# Altium PCB Archimajor.PcbDoc (part 7 of 12)
Units mm, origin at the board's own origin, x right, y up, seen from the top; angles counter-clockwise.
Board outline 190 x 140 mm, 6 copper layers (Top Layer, Top GND, Power Plane, Mid1, Bot GND, Bottom Layer), stack 1.776 mm thick; 1046 components, 682 nets, 3245 pads, 2865 vias.
Unrouted connection lines stored in the file: 97.
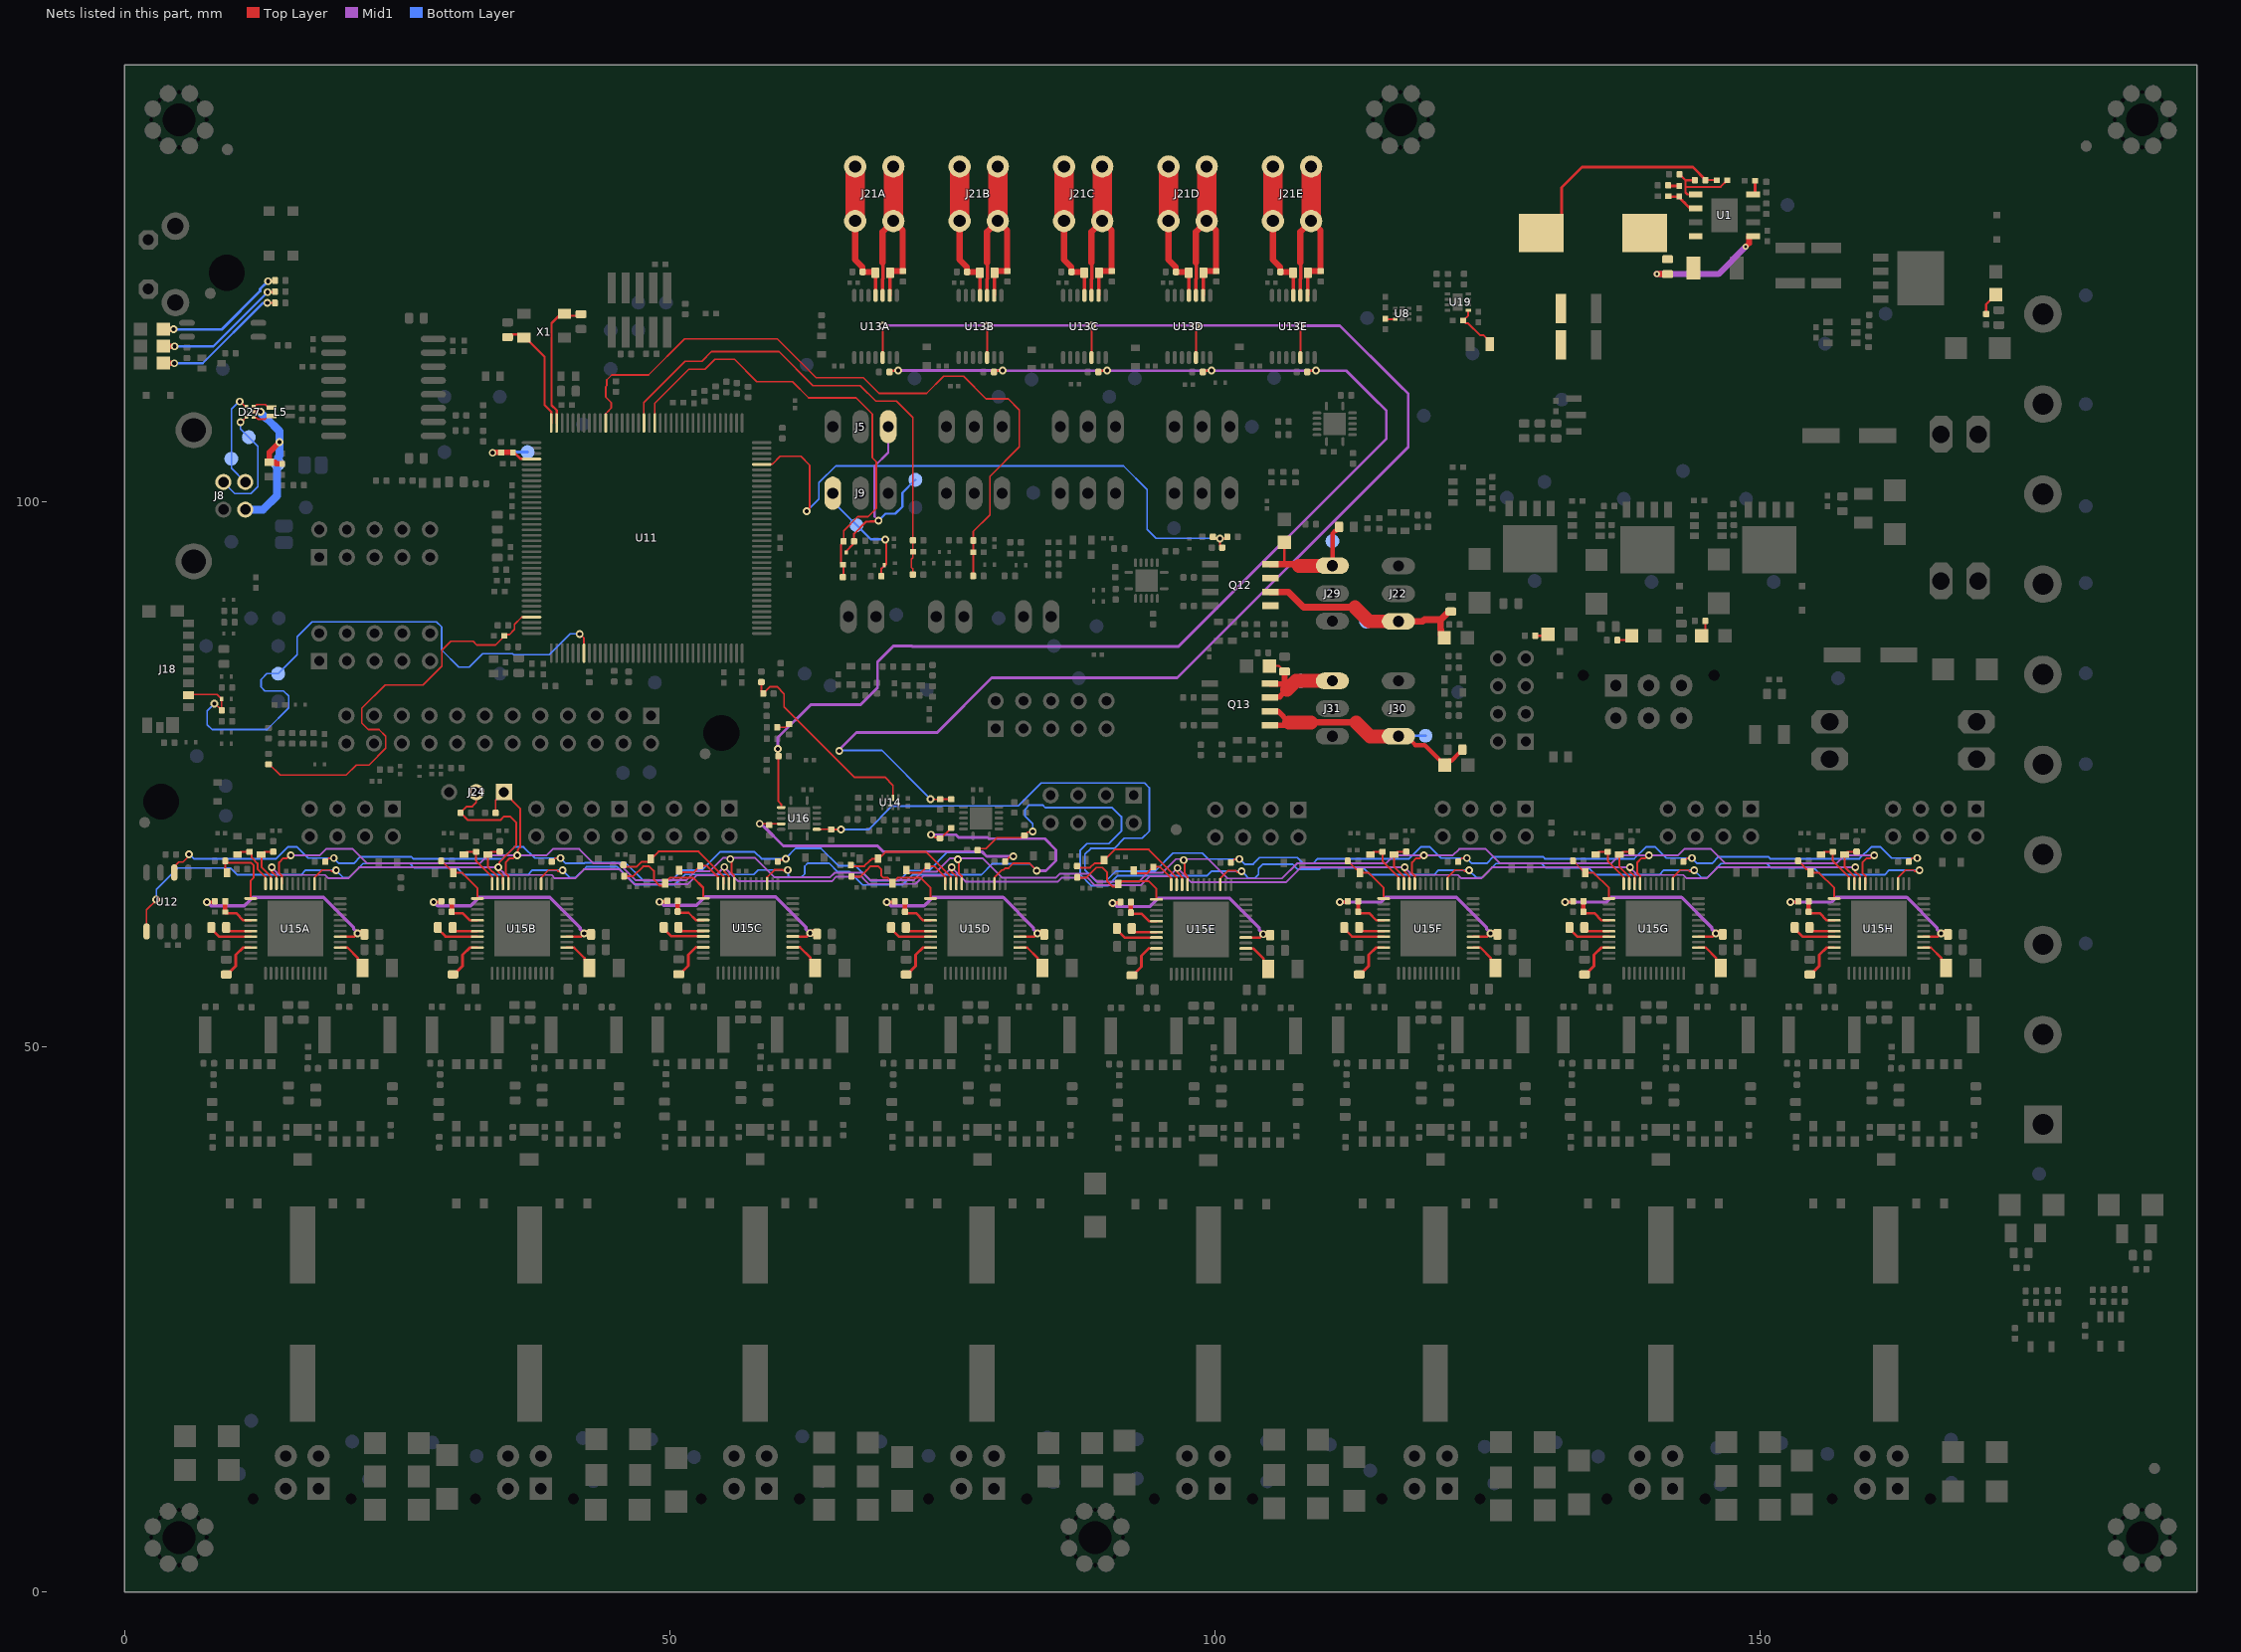
[diagram p11: the nets of this part, all layers, seen from the top]

## Via types
v1: diameter 0.711, hole 0.381, Top Layer to Bottom Layer, tented both sides, 2418 vias
v2: diameter 0.559, hole 0.254, Top Layer to Bottom Layer, 302 vias
v3: diameter 0.711, hole 0.381, Top Layer to Bottom Layer, 113 vias
v4: diameter 0.737, hole 0.381, Top Layer to Bottom Layer, tented both sides, 16 vias
v5: diameter 0.762, hole 0.381, Top Layer to Bottom Layer, 16 vias

## Nets (pads, with @x,y where several pads share a name; then routed paths per layer and width w, separated by ;. In a path a pad name is that pad's centre, name@x,y a point inside that pad or via, vN(x,y) a via of type N, cw(c..) or ccw(c..) an arc to the next point about the centre after c; other vN are vias at no path point) (continued)
MCDA3: D68.C J18.2 R67.1 TP22.1 U11.79 | length 59.3
  Top Layer w0.152: J18.2@5.89,82.226 5.971,82.307 8.48,82.307 D68.C@8.897,81.89 R67.1@8.897,80.88 ; v1(8.255,81.458) 8.319,81.458 R67.1@8.897,80.88 ; v1(41.732,87.847) 41.783,87.847 42.129,87.501 U11.79@42.129,86.088 ; R67.1@8.897,80.88 8.897,80.869 R67.1@8.918,80.848 8.918,80.859 R67.1@8.897,80.88
  Bottom Layer w0.152: v1@8.407,81.458 8.331,81.382 8.179,81.382 7.595,80.798 7.595,79.528 8.039,79.084 13.069,79.084 15.062,81.077 15.062,82.144 14.58,82.626 12.866,82.626 12.522,82.97 12.522,83.661 13.063,84.201 TP22.1@14.097,84.201 15.824,85.928 15.824,87.572 17.216,88.964 28.6,88.964 29.083,88.482 29.083,86.368 30.65,84.801 31.613,84.801 32.842,86.03 35.594,86.03 35.683,85.942 38.961,85.942 40.866,87.847 v1(41.732,87.847)
MIN_ES1: C84.1 R19.1 R22.1 U11.17 | length 42.6
  Top Layer w0.152: U11.17@48.629,107.188 48.629,108.989 51.75,112.109 53.218,112.109 54.126,113.018 55.934,113.018 57.968,110.984 61.243,110.984 62.736,109.492 67.076,109.492 68.568,108 68.568,104.009 68.936,103.642 68.936,99.357 68.169,98.591 67.224,98.591 65.938,97.305 R19.1@65.938,96.334 65.938,96.29 65.694,96.046 65.694,94.283 65.927,94.051 R22.1@65.927,93.038
MIN_ES2: C157.1 R63.1 R72.1 U11.19 | length 45.5
  Top Layer w0.152: U11.19@47.629,107.188 47.629,109.049 51.414,112.834 52.937,112.834 53.832,113.729 60.007,113.729 63.116,110.62 67.457,110.62 68.882,109.195 70.785,109.195 72.288,107.692 R63.1@72.288,96.429 C157.1@72.289,95.379 72.289,94.828 72.158,94.697 72.158,93.944 72.285,93.817 R72.1@72.285,93.286
MIN_ES3: C159.1 R75.1 R76.1 U11.26 | length 64.8
  Top Layer w0.152: U11.26@44.129,107.188 44.129,108.037 44.421,108.329 44.421,108.356 44.636,108.571 44.636,109.055 44.122,109.569 44.122,110.523 44.217,110.618 44.217,111.134 44.679,111.596 48.054,111.596 51.348,114.89 59.852,114.89 63.411,111.331 67.752,111.331 69.177,109.906 73.542,109.906 75.119,111.483 76.923,111.483 79,109.406 81.032,109.406 82.057,108.381 82.057,105.006 79.338,102.287 79.338,98.762 77.822,97.246 R75.1@77.822,96.412 C159.1@77.822,95.337 ; R76.1@77.822,93.197 C159.1@77.822,95.337 ; C159.1@77.828,95.337 C159.1@77.822,95.337
MIN_ES4: C214.1 R190.1 R191.1 U11.140 | length 57.1
  Top Layer w0.152: U11.140@58.429,103.388 58.448,103.406 59.305,103.406 59.329,103.43 59.415,103.43 60.112,104.127 62.023,104.127 62.828,103.322 62.828,99.348 v1@62.629,99.148 ; R191.1@99.786,96.756 99.957,96.584 v1(100.443,96.584) ; C214.1@100.643,95.759 100.443,95.959 v1(100.443,96.584) ; R190.1@101.109,96.756 100.937,96.584 v1(100.443,96.584)
  Bottom Layer w0.152: v1(62.541,99.086) 63.668,100.213 63.668,101.705 65.218,103.254 91.598,103.254 93.768,101.084 93.768,97.434 94.582,96.621 100.407,96.621 v1(100.443,96.584)
MISO_M1BUS: C75.1 R86A.1 R86B.1 R86C.1 R86D.1 U12.2 U16.5 | length 115.8
  Top Layer w0.166: U12.2@4.572,65.971 4.572,66.538 4.736,66.701 ; 4.736,66.702 4.968,66.934 5.368,66.934 5.918,67.484 v1(5.918,67.634) ; R86A.1@18.405,66.96 18.405,66.966 18.627,67.189 18.634,67.189 18.73,67.285 v1(19.2,67.285) ; R86B.1@39.18,66.96 39.18,66.966 39.402,67.189 39.409,67.189 39.505,67.285 v1(39.975,67.285) ; v1(58.243,70.434) U16.5@60.212,70.434 ; R86C.1@59.888,66.984 60.033,67.13 60.537,67.13 v1(60.641,67.234) ; R86D.1@80.73,66.96 80.73,66.966 80.952,67.189 80.959,67.189 81.229,67.459 v1(81.492,67.459)
  Mid1 w0.257: v1@58.241,70.559 58.676,70.124 58.694,70.124 60.408,68.409 69.05,68.409 69.575,67.884 78.619,67.884 79.044,67.459 v1(81.492,67.459)
  Bottom Layer w0.166: v1(5.918,67.634) 5.963,67.634 6.363,67.235 13.9,67.235 14.975,68.31 15.825,68.31 16.85,67.285 v1(19.2,67.285) 19.675,66.81 21.025,66.81 21.625,67.41 26.3,67.41 26.475,67.235 34.675,67.235 35.75,68.31 36.6,68.31 37.625,67.285 v1(39.975,67.285) 40.45,66.81 42.152,66.81 42.196,66.854 45.95,66.854 47.576,65.227 50.176,65.227 51.133,66.184 52.933,66.184 54.6,67.851 57.791,67.851 58.408,67.234 v1(60.641,67.234) 60.641,67.309 61.516,68.184 63.868,68.184 65.476,66.576 67.045,66.576 68.419,65.203 71.018,65.203 71.975,66.16 73.775,66.16 75.442,67.827 78.633,67.827 78.997,67.463 78.993,67.459 v1(81.492,67.459)
MISO_M2BUS: C87.1 R86E.1 R86F.1 R86G.1 R86H.1 U16.9 | length 131
  Top Layer w0.165: U16.9@63.474,69.934 64.768,69.934 C87.1@64.793,69.909 v1(65.693,69.909)
  Top Layer w0.166: R86E.1@101.438,66.884 101.438,66.891 101.66,67.113 101.666,67.113 101.763,67.209 v1(102.233,67.209) ; R86F.1@122.28,66.96 122.28,66.966 122.502,67.189 122.509,67.189 122.605,67.285 v1(123.075,67.285) ; R86G.1@142.93,66.96 142.93,66.966 143.153,67.189 143.159,67.189 143.255,67.285 v1(143.725,67.285) ; R86H.1@163.58,66.96 163.58,66.966 163.803,67.189 163.809,67.189 163.905,67.285 v1(164.375,67.285)
  Bottom Layer w0.165: v1(65.693,69.909) 68.218,69.909 70.377,72.068 74.902,72.068 74.918,72.084 81.968,72.084 84.068,74.184 93.518,74.184 93.968,73.734 93.968,69.759 93.318,69.109 91.668,69.109 90.734,68.175 88.592,68.175 88.068,67.651 88.068,66.186
  Bottom Layer w0.166: 88.068,66.186 89.126,65.127 89.949,65.127 90.906,66.084 94.483,66.084 96.15,67.751 98.826,67.751 99.368,67.209 v1(102.233,67.209) 102.708,66.734 103.483,66.734 104.083,67.334 107.543,67.334 108.093,66.784 108.968,66.784 109.418,67.235 117.775,67.235 118.85,68.31 119.7,68.31 120.725,67.285 v1(123.075,67.285) 123.55,66.81 124.9,66.81 125.5,67.41 130.05,67.41 130.225,67.235 138.425,67.235 139.5,68.31 140.35,68.31 141.375,67.285 v1(143.725,67.285) 144.2,66.81 145.55,66.81 146.15,67.41 150.7,67.41 150.875,67.235 159.075,67.235 160.15,68.31 161,68.31 162.025,67.285 v1(164.375,67.285)
MISO_TCBUS: C74.1 R88A.2 R88B.2 R88C.2 R88D.2 R88E.2 U16.2 | length 128.3
  Top Layer w0.165: C74.1@59.912,76.634 C74.1@59.912,76.734 ; v1@59.912,77.309 C74.1@59.912,76.734 ; U16.2@60.212,71.934 60.212,72.234 59.962,72.484 59.962,76.684 C74.1@59.912,76.734
  Top Layer w0.257: R88A.2@70.14,111.859 70.255,111.975 70.902,111.975 v1(70.939,112.011) ; R88B.2@79.716,111.859 79.831,111.975 80.478,111.975 v1(80.514,112.011) ; R88C.2@89.291,111.859 89.407,111.975 90.053,111.975 v1(90.09,112.011) ; R88D.2@98.867,111.859 98.982,111.975 99.629,111.975 v1(99.666,112.011) ; R88E.2@108.443,111.859 108.558,111.975 109.205,111.975 v1(109.242,112.011)
  Mid1 w0.257: v1(59.918,77.309) 59.918,78.334 62.943,81.359 67.493,81.359 69.043,82.909 69.043,85.284 70.51,86.752 72.191,86.752 72.246,86.697 96.631,86.697 115.7,105.766 115.7,108.318 114.406,109.612 112.034,111.984 109.49,111.984 99.765,111.984 90.265,111.984 v1@80.79,111.984 ; v1@70.939,112.009 v1@80.765,112.009
MOSI_M1BUS: C88.1 R59.1 U12.5 U15A.15 U15B.15 U15C.15 U15D.15 | length 125
  Top Layer w0.152: U12.5@2.032,60.571 2.032,62.557 2.918,63.442 v1(2.918,63.484)
  Top Layer w0.165: v1(73.943,69.434) 74.068,69.434 74.312,69.19 74.687,69.19 C88.1@74.768,69.109 74.947,69.288 75.028,69.288 75.596,69.856 75.596,69.865 75.79,70.06 R59.1@75.8,70.06
  Top Layer w0.166: U15A.15@17.432,64.935 17.432,65.515 18.109,66.191 18.866,66.191 18.975,66.083 19.472,66.083 19.4,66.155 v1(19.4,66.185) ; U15B.15@38.207,64.935 38.207,65.515 38.884,66.191 39.641,66.191 39.75,66.083 40.247,66.083 40.175,66.155 v1(40.175,66.185) ; U15C.15@58.915,64.96 58.915,65.539 59.592,66.216 60.349,66.216 60.457,66.107 60.955,66.107 60.868,66.194 v1(60.813,66.194) ; U15D.15@79.757,64.935 79.757,65.515 80.434,66.191 80.573,66.191 80.75,66.369 81.063,66.369 81.511,66.817 82.001,66.817 ; 82.002,66.818 82.959,66.818 v1(83.643,66.134)
  Mid1 w0.257: v1(73.943,69.434) 76.229,69.434 76.476,69.187 79.159,69.187 79.274,69.073 84.38,69.073 85.393,68.059 85.393,67.034 84.493,66.134 v1(83.643,66.134)
  Bottom Layer w0.152: v1(2.918,63.484) 2.918,64.409 4.893,66.385 7.075,66.385
  Bottom Layer w0.166: 7.075,66.385 9.725,66.385 10.35,65.76 16.2,65.76 16.625,66.185 v1(19.4,66.185) 19.4,66.165 20.055,65.51 20.6,65.51 21.875,66.785 26.175,66.785 26.575,66.385 30.5,66.385 31.125,65.76 36.975,65.76 37.4,66.185 v1(40.175,66.185) 40.175,66.165 40.83,65.51 41.375,65.51 42.349,66.484 45.206,66.484 46.832,64.858 50.481,64.858 51.408,65.784 57.713,65.784 58.123,66.194 v1(60.813,66.194) 60.853,66.154 60.853,65.711 61.022,65.542 61.545,65.542 ; 61.546,65.542 62.074,65.542 62.37,65.838 62.37,66.539 62.657,66.826 64.601,66.826 65.401,66.026 66.482,66.026 67.674,64.833 71.323,64.833 72.25,65.76 78.555,65.76 79.572,66.776 83.001,66.776 v1(83.643,66.134)
MOSI_M2BUS: C89.1 R89.1 U15E.15 U15F.15 U15G.15 U15H.15 | length 120.4
  Top Layer w0.166: R89.1@78.216,68.155 78.989,68.155 79.999,69.165 82.199,69.165 82.214,69.181 82.339,69.181 C89.1@82.518,69.359 82.508,69.359 82.5,69.367 82.796,69.663 83.196,69.663 v1(83.267,69.734) ; U15E.15@100.465,64.86 100.465,65.439 101.142,66.116 101.899,66.116 102.007,66.007 102.505,66.007 v1(102.418,66.094) ; U15F.15@121.307,64.935 121.307,65.515 121.984,66.191 122.741,66.191 122.85,66.083 123.347,66.083 123.275,66.155 v1(123.275,66.185) ; U15G.15@141.958,64.935 141.958,65.515 142.634,66.191 143.391,66.191 143.5,66.083 143.998,66.083 143.925,66.155 v1(143.925,66.185) ; U15H.15@162.608,64.935 162.608,65.515 163.284,66.191 164.042,66.191 164.15,66.083 164.648,66.083 164.575,66.155 v1(164.575,66.185)
  Bottom Layer w0.166: v1@83.268,69.735 83.268,70.434 82.576,71.126 82.576,71.767 82.968,72.159 84.193,72.159 84.437,71.915 90.575,71.915 91.399,71.092 91.399,69.768 90.241,68.609 88.243,68.609 87.618,67.984 87.618,65.809 88.67,64.758 90.155,64.758 91.081,65.684 99.263,65.684 99.673,66.094 v1(102.418,66.094) 102.444,66.094 102.698,65.84 102.698,65.819 103.074,65.442 103.095,65.442 103.624,65.442 103.982,65.801 103.982,66.339 104.369,66.726 107.101,66.726 107.568,66.259 109.549,66.259 109.675,66.385 113.6,66.385 114.225,65.76 120.075,65.76 120.5,66.185 v1(123.275,66.185) 123.275,66.165 123.93,65.51 124.475,65.51 125.75,66.785 129.925,66.785 130.325,66.385 134.25,66.385 134.875,65.76 140.725,65.76 141.15,66.185 v1(143.925,66.185) 143.925,66.165 144.58,65.51 145.125,65.51 146.4,66.785 150.575,66.785 150.975,66.385 154.9,66.385 155.525,65.76 161.375,65.76 161.8,66.185 v1(164.575,66.185) v1@164.575,66.165
MOSI_TCBUS: C83.1 R84.1 U13A.12 U13B.12 U13C.12 U13D.12 U13E.12 | length 146.2
  Top Layer w0.152: v1(73.893,72.709) 73.918,72.684 C83.1@74.793,72.684 74.799,72.69 R84.1@75.8,72.69
  Top Layer w0.166: U13A.12@69.515,113.189 v1(69.515,116.109) ; U13B.12@79.091,113.189 v1(79.091,116.109) ; U13C.12@88.666,113.189 v1(88.666,116.109) ; U13D.12@98.242,113.189 v1(98.242,116.109) ; U13E.12@107.818,113.189 v1(107.818,116.109)
  Mid1 w0.257: v1@65.468,77.159 67.118,78.809 74.518,78.809 79.518,83.809 96.518,83.809 117.707,104.998 117.707,109.842 116.828,110.72 111.439,116.109 v1(107.818,116.109) ; v1@69.515,116.134 79.091,116.134 88.666,116.134 98.242,116.134 v1@107.818,116.134
  Bottom Layer w0.152: v1@65.468,77.159 69.443,77.159 v1(73.893,72.709)
  other v1: 65.538,77.122
MOT_SD_MODE: J24.1 R197.1 U15A.21 U15B.21 U15C.21 U15D.21 U15E.21 U15F.21 U15G.21 U15H.21 | length 189.3
  Top Layer w0.178: U15A.21@14.432,64.935 14.432,65.672 14.173,65.932 14.173,66.898 14.552,67.277 14.892,67.277 15.15,67.535 v1(15.25,67.535) v1@15.292,67.577 ; R197.1@34.03,71.44 34.03,72.58 J24.1@34.79,73.34 36.282,71.848 36.282,68.281 36.043,68.042 v1@36.043,67.553 ; U15B.21@35.207,64.935 35.207,65.672 34.948,65.932 34.948,66.898 35.327,67.277 35.667,67.277 35.925,67.535 v1(36.025,67.535) v1@36.043,67.553 ; v1@36.067,67.577 v1@36.043,67.553 ; v1@55.656,67.119 55.656,65.956 55.915,65.697 U15C.21@55.915,64.96 ; v1@76.498,67.095 76.498,65.932 76.757,65.672 U15D.21@76.757,64.935 ; v1@97.206,67.019 97.206,65.856 97.465,65.597 U15E.21@97.465,64.86 ; U15F.21@118.307,64.935 118.307,65.672 118.048,65.932 118.048,66.898 118.427,67.277 118.767,67.277 119.025,67.535 v1(119.125,67.535) v1@119.167,67.577 ; U15G.21@138.958,64.935 138.958,65.672 138.698,65.932 138.698,66.898 139.077,67.277 139.417,67.277 139.675,67.535 v1(139.775,67.535) v1@139.817,67.577 ; U15H.21@159.608,64.935 159.608,65.672 159.348,65.932 159.348,66.898 159.728,67.277 160.068,67.277 160.325,67.535 v1(160.425,67.535) v1@160.468,67.577
  Mid1 w0.178: v1(15.25,67.535) 17.9,67.535 18.5,68.135 20.925,68.135 22.25,66.81 32.55,66.81 33.275,67.535 v1(36.025,67.535) 38.675,67.535 39.275,68.135 41.7,68.135 43.025,66.81 45.345,66.81 46.908,65.247 51.493,65.247 52.311,66.065 53.638,66.065 54.875,67.301 55.558,67.301 57.826,67.301 59.604,65.523 64.685,65.523 65.103,65.941 67.714,65.941 68.38,65.275 72.387,65.275 73.153,66.041 74.481,66.041 75.717,67.277 76.4,67.277 78.668,67.277 80.446,65.499 85.413,65.499 85.779,65.865 88.417,65.865 89.135,65.147 93.043,65.147 93.861,65.965 95.188,65.965 96.425,67.201 97.108,67.201 99.376,67.201 101.154,65.423 106.121,65.423 107.508,66.81 115.65,66.81 116.375,67.535 v1(119.125,67.535) 121.775,67.535 122.375,68.135 124.8,68.135 126.125,66.81 136.3,66.81 137.025,67.535 v1(139.775,67.535) 142.425,67.535 143.025,68.135 145.45,68.135 146.775,66.81 156.95,66.81 157.675,67.535 v1(160.425,67.535)
  other v1: 97.108,67.109 76.4,67.185 55.558,67.209
MOT_SPI_MODE: J24.2 R198.1 U15A.22 U15B.22 U15C.22 U15D.22 U15E.22 U15F.22 U15G.22 U15H.22 | length 181
  Top Layer w0.178: v1@13.487,66.45 13.487,66.078 13.932,65.633 U15A.22@13.932,64.935 ; R198.1@30.794,71.46 31.366,72.032 31.901,72.032 32.25,72.381 J24.2@32.25,73.34 ; R198.1@30.82,71.435 31.473,70.781 34.479,70.781 34.808,71.111 35.345,71.111 35.901,70.555 35.901,68.439 34.362,66.9 34.362,66.525 v1(34.287,66.45) ; v1@34.262,66.45 34.262,66.078 34.707,65.633 U15B.22@34.707,64.935 ; v1@54.97,66.475 54.97,66.103 55.415,65.658 U15C.22@55.415,64.96 ; v1@75.812,66.45 75.812,66.078 76.257,65.633 U15D.22@76.257,64.935 ; v1@96.52,66.375 96.52,66.003 96.965,65.558 U15E.22@96.965,64.86 ; v1@117.362,66.45 117.362,66.078 117.807,65.633 U15F.22@117.807,64.935 ; v1@138.013,66.45 138.013,66.078 138.458,65.633 U15G.22@138.458,64.935 ; v1@158.663,66.45 158.663,66.078 159.108,65.633 U15H.22@159.108,64.935
  Mid1 w0.178: v1(13.512,66.45) 13.497,66.435 14.187,65.745 18.385,65.745 18.688,65.441 20.531,65.441 21.525,66.435 v1@34.272,66.435 ; v1(34.287,66.45) v1@34.272,66.435 ; v1(54.995,66.475) v1@54.98,66.459 ; v1(75.837,66.45) v1@75.822,66.435 ; v1(96.545,66.375) v1@96.53,66.359 ; v1(117.387,66.45) v1@117.372,66.435 ; v1(138.038,66.45) v1@138.022,66.435 ; v1(158.688,66.45) 158.672,66.435 146.05,66.435 145.056,65.441 143.213,65.441 142.91,65.745 138.713,65.745 v1@138.022,66.435 ; v1@34.272,66.435 34.962,65.745 39.16,65.745 39.463,65.441 41.306,65.441 42.124,66.259 45.393,66.259 46.761,64.891 51.64,64.891 52.458,65.709 54.23,65.709 v1@54.98,66.459 ; v1@54.98,66.459 56.272,65.168 64.833,65.168 65.25,65.585 67.567,65.585 67.707,65.445 67.707,65.44 68.227,64.92 72.535,64.92 73.3,65.685 75.072,65.685 v1@75.822,66.435 ; v1@75.822,66.435 77.114,65.143 85.592,65.143 85.958,65.509 88.269,65.509 88.987,64.791 93.19,64.791 94.008,65.609 95.78,65.609 v1@96.53,66.359 ; v1@96.53,66.359 97.822,65.068 106.501,65.068 107.868,66.435 v1@117.372,66.435 ; v1@117.372,66.435 118.062,65.745 122.26,65.745 122.563,65.441 124.406,65.441 125.4,66.435 v1@138.022,66.435
NetC1_1: C1.1 U1.1 | length 11.4
  Top Layer w0.254: v2@148.548,123.462 v2(148.65,123.36)
  Top Layer w0.508: v2(148.65,123.36) 148.954,123.665 U1.1@148.954,124.298
  Top Layer w0.559: v2(140.504,120.843) C1.1@141.479,120.843
  Mid1 w0.559: v2(140.504,120.843) 146.132,120.843 v2(148.65,123.36)
NetC1_2: C1.2 D2.K L1.1 U1.8
NetC3_1: C3.1 R1.2 R5.2 U1.5 | length 7.9
  Top Layer w0.203: R5.2@142.574,129.998 143.124,129.448 ; R1.2@143.984,129.448 143.124,129.448 ; U1.5@144.069,128.136 143.304,128.136 143.124,128.315 143.124,128.773 ; C3.1@146.941,129.448 146.332,128.838 143.189,128.838 143.124,128.773 ; 143.124,128.773 143.124,129.448
NetC3_2: C3.2 C4.2 C5.2 C198.2 L1.2 R1.1 R148.1 U19.1 | length 24.3
  Top Layer w0.178: U19.1@123.199,117.525 123.199,117.041 C198.2@122.732,116.574 122.973,116.332 123.189,116.332 124.268,115.253 124.586,115.253 125.17,114.668 R148.1@125.17,114.416 ; R1.1@144.946,129.448 C3.2@145.984,129.448
  Top Layer w0.254: L1.2@131.779,124.698 131.779,128.786 133.641,130.648 143.791,130.648 R1.1@144.969,129.471
  Top Layer w0.762: C5.2@131.629,114.273 C5.2@131.704,114.348
NetC12A_1: C12A.1 C23A.2 J21A.2 TP23A.1 U13A.2 U13A.3 | length 23
  Top Layer w0.305: 69.503,121.909 69.56,121.851 69.56,120.401 69.515,120.355 U13A.3@69.515,118.889 ; U13A.2@70.165,118.889 70.18,118.904 70.18,120.948 C23A.2@70.193,120.961
  Top Layer w0.559: 69.503,121.909 69.503,124.715 J21A.2@70.495,125.708 71.361,124.841 C12A.1@71.361,121.106 ; C23A.2@70.195,120.961 70.34,121.106 C12A.1@71.361,121.106 ; C12A.1@71.374,121.106 C12A.1@71.361,121.106
  Top Layer w1.778: J21A.2@70.495,125.708 J21A.2@70.495,130.708
  Bottom Layer w0.203: J21A.2@70.495,125.708 70.551,125.763 TP23A.1@70.551,128.098
NetC12B_1: C12B.1 C23B.2 J21B.2 TP23B.1 U13B.2 U13B.3 | length 23
  Top Layer w0.305: 79.078,121.909 79.136,121.851 79.136,120.401 79.091,120.355 U13B.3@79.091,118.889 ; U13B.2@79.741,118.889 79.756,118.904 79.756,120.948 C23B.2@79.769,120.961
  Top Layer w0.559: 79.078,121.909 79.078,124.715 J21B.2@80.071,125.708 80.937,124.841 C12B.1@80.937,121.106 ; C23B.2@79.771,120.961 79.915,121.106 C12B.1@80.937,121.106 ; C12B.1@80.949,121.106 C12B.1@80.937,121.106
  Top Layer w1.778: J21B.2@80.071,125.708 J21B.2@80.071,130.708
  Bottom Layer w0.203: TP23B.1@80.06,128.098 80.06,125.718 J21B.2@80.071,125.708
NetC12C_1: C12C.1 C23C.2 J21C.2 TP23C.1 U13C.2 U13C.3 | length 23
  Top Layer w0.305: 88.654,121.909 88.712,121.851 88.712,120.401 88.666,120.355 U13C.3@88.666,118.889 ; U13C.2@89.316,118.889 89.331,118.904 89.331,120.948 C23C.2@89.345,120.961
  Top Layer w0.559: 88.654,121.909 88.654,124.715 J21C.2@89.647,125.708 90.513,124.841 C12C.1@90.513,121.106 ; C23C.2@89.346,120.961 89.491,121.106 C12C.1@90.513,121.106 ; C12C.1@90.525,121.106 C12C.1@90.513,121.106
  Top Layer w1.778: J21C.2@89.647,125.708 J21C.2@89.647,130.708
  Bottom Layer w0.203: TP23C.1@89.629,128.098 89.629,125.725 J21C.2@89.647,125.708
NetC12D_1: C12D.1 C23D.2 J21D.2 TP23D.1 U13D.2 U13D.3 | length 23
  Top Layer w0.305: 98.23,121.909 98.288,121.851 98.288,120.401 98.242,120.355 U13D.3@98.242,118.889 ; U13D.2@98.892,118.889 98.907,118.904 98.907,120.948 C23D.2@98.921,120.961
  Top Layer w0.559: 98.23,121.909 98.23,124.715 J21D.2@99.222,125.708 100.089,124.841 C12D.1@100.089,121.106 ; C23D.2@98.922,120.961 99.067,121.106 C12D.1@100.089,121.106 ; C12D.1@100.101,121.106 C12D.1@100.089,121.106
  Top Layer w1.778: J21D.2@99.222,125.708 J21D.2@99.222,130.708
  Bottom Layer w0.203: J21D.2@99.222,125.708 99.238,125.723 TP23D.1@99.238,128.098
NetC12E_1: C12E.1 C23E.2 J21E.2 TP23E.1 U13E.2 U13E.3 | length 23